# Altium PCB PCB1.PcbDoc (part 2 of 3) (continued)
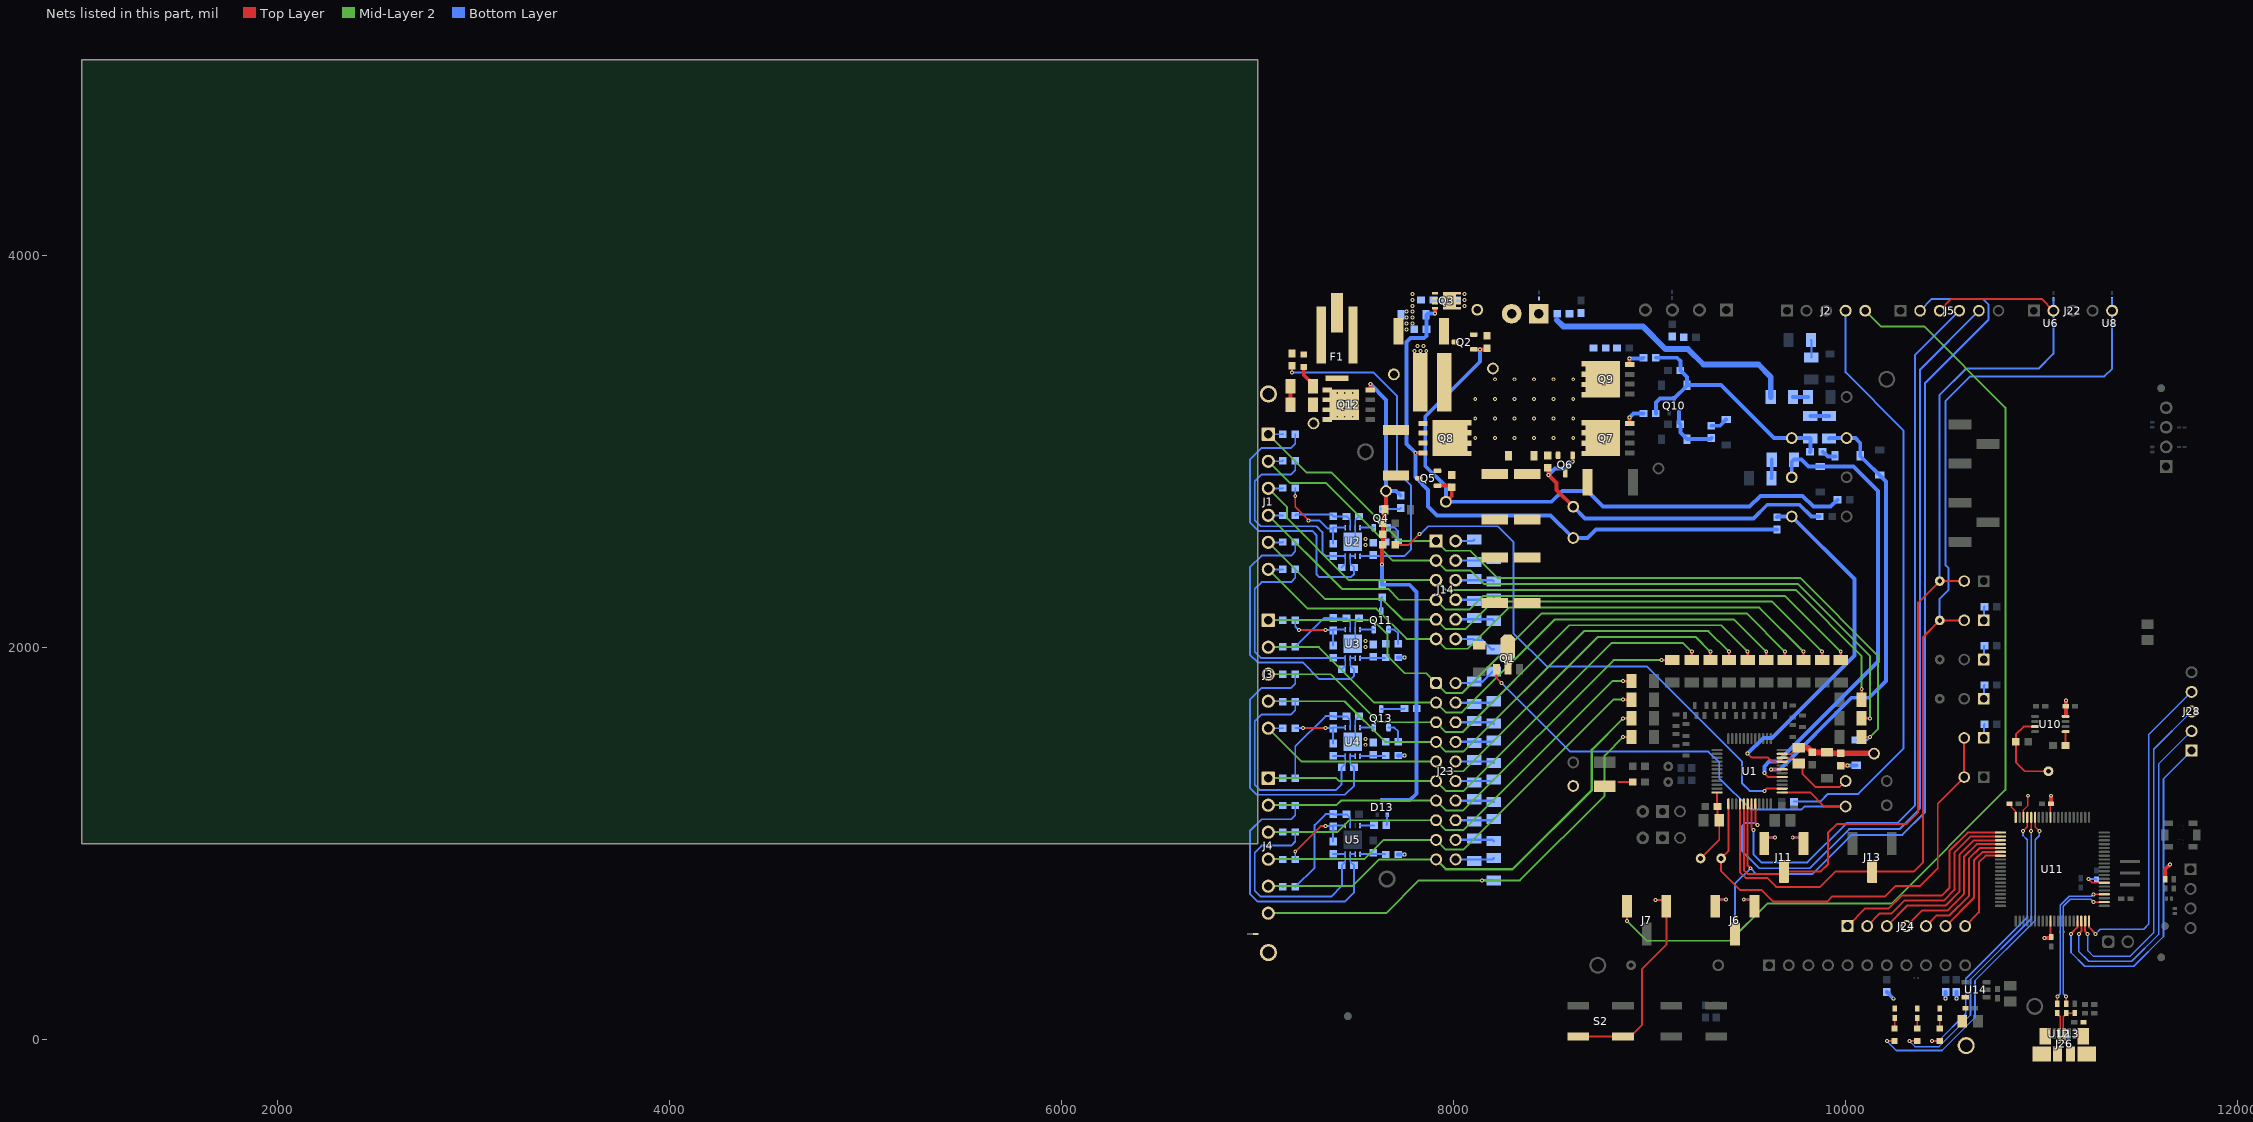
[diagram p4: the nets of this part, all layers, seen from the top]
## Part data (continued)
R55: library part CMP-0025825-4, "RES, 51, 5%, 0.1 W, AEC-Q200 Grade 0, 0603", Manufacturer=Vishay-Dale, Power_W=100mW, Supplier Part Number 1=541-51GCT-ND, TempCo="200 ppm/C", Tolerance_%=5%, Value2=0.1W, Value_Code=51R0, ValueDisplayed=51, AEC Category=Q200, AEC Grade=0, AEC Qualified=Y, ComponentLink1Description="Datasheet link", ComponentLink1URL=http://www.vishay.com/docs/20035/dcrcwe3.pdf, CompType=Resistor, EIA_Code=E24, MountType=SMT, PackageReference=0603, PartNumber=CRCW060351R0JNEA, Res_ohm=51, RoHS=E, SizeArea_mm2=1.28, SizeX_mm=1.6, SizeY_mm=0.8, SizeZ_mm=1, Supplier 1=Digi-Key, Supplier 2=Newark, Supplier 3=Mouser, Supplier Part Number 2=59M6822, Supplier Part Number 3=71-CRCW0603J-51-E3, Technology="Thick Film", Value1=5%, VDC_V=75V
R57: library part CMP-0025701-4, "RES, 10 k, 5%, 0.1 W, AEC-Q200 Grade 0, 0603", Manufacturer=Vishay-Dale, PartNumber=CRCW060310K0JNEA, Power_W=100mW, Supplier Part Number 1=541-10KGCT-ND, TempCo="200 ppm/C", Tolerance_%=5%, Value2=0.1W, Value_Code=10k0, ValueDisplayed=10k, AEC Category=Q200, AEC Grade=0, AEC Qualified=Y, ComponentLink1Description="Datasheet link", ComponentLink1URL=http://www.vishay.com/docs/20035/dcrcwe3.pdf, CompType=Resistor, EIA_Code=E24, LatestRevisionDate=2017-06-13, MountType=SMT, PackageReference=0603, Published=2008-06-26, Publisher="Texas Instruments", Res_ohm=10k, RoHS=E, SizeArea_mm2=1.28, SizeX_mm=1.6, SizeY_mm=0.8, SizeZ_mm=1, Supplier 1=Digi-Key, Supplier 2=Newark, Supplier 3=Mouser, Supplier Part Number 2=52K8066, Supplier Part Number 3=71-CRCW0603J-10K-E3, SymbolVersion=2009-05-29, Technology="Thick Film", U/M=EA, Value1=5%, VDC_V=75V
R59 R82: library part CMP-0025830-4, "RES, 5.1 k, 5%, 0.1 W, AEC-Q200 Grade 0, 0603", Manufacturer=Vishay-Dale, PartNumber=CRCW06035K10JNEA, Power_W=100mW, Supplier Part Number 1=541-5.1KGCT-ND, TempCo="200 ppm/C", Tolerance_%=5%, Value2=0.1W, Value_Code=5k10, ValueDisplayed=5.1k, AEC Category=Q200, AEC Grade=0, AEC Qualified=Y, ComponentLink1Description="Datasheet link", ComponentLink1URL=http://www.vishay.com/docs/20035/dcrcwe3.pdf, CompType=Resistor, EIA_Code=E24, LatestRevisionDate=2017-06-13, MountType=SMT, PackageReference=0603, Published=2008-06-26, Publisher="Texas Instruments", Res_ohm=5.1k, RoHS=E, SizeArea_mm2=1.28, SizeX_mm=1.6, SizeY_mm=0.8, SizeZ_mm=1, Supplier 1=Digi-Key, Supplier 2=Newark, Supplier 3=Farnell, Supplier Part Number 2=89M6773, Supplier Part Number 3=1570751, SymbolVersion=2009-05-29, Technology="Thick Film", U/M=EA, Value1=5%, VDC_V=75V
R60: library part CMP-0025935-5, "RES, 62 k, 5%, 0.1 W, 0603", Manufacturer=Yageo, Power_W=100mW, Supplier Part Number 1=311-62KGRCT-ND, TempCo="100 ppm/C", Tolerance_%=5%, Value2=0.1W, Value_Code=62k0, ValueDisplayed=62k, AEC Category=Q200, AEC Grade=N/A, AEC Qualified=N, ComponentLink1Description="Datasheet link", ComponentLink1URL=http://www.yageo.com/pdf/Pu-RC0603_51_PbFree_L_2.pdf, CompType=Resistor, EIA_Code=E24, MountType=SMT, PackageReference=0603, PartNumber=RC0603JR-0762KL, Res_ohm=62k, RoHS=Y, SizeArea_mm2=1.28, SizeAreaWB_mm2=4.68, SizeX_mm=1.6, SizeY_mm=0.8, SizeZ_mm=1, Supplier 1=Digi-Key, Supplier 2=Mouser, Supplier 3=Farnell, Supplier Part Number 2=603-RC0603JR-0762KL, Supplier Part Number 3=1799444, Technology="Thick Film", Value1=5%, VDC_V=75V
R61 R62 R63: library part CMP-0025830-4, "RES, 5.1 k, 5%, 0.1 W, AEC-Q200 Grade 0, 0603", Manufacturer=Vishay-Dale, Power_W=100mW, Supplier Part Number 1=541-5.1KGCT-ND, TempCo="200 ppm/C", Tolerance_%=5%, Value2=0.1W, Value_Code=5k10, ValueDisplayed=5.1k, AEC Category=Q200, AEC Grade=0, AEC Qualified=Y, ComponentLink1Description="Datasheet link", ComponentLink1URL=http://www.vishay.com/docs/20035/dcrcwe3.pdf, CompType=Resistor, EIA_Code=E24, MountType=SMT, PackageReference=0603, PartNumber=CRCW06035K10JNEA, Res_ohm=5.1k, RoHS=E, SizeArea_mm2=1.28, SizeX_mm=1.6, SizeY_mm=0.8, SizeZ_mm=1, Supplier 1=Digi-Key, Supplier 2=Newark, Supplier 3=Farnell, Supplier Part Number 2=89M6773, Supplier Part Number 3=1570751, Technology="Thick Film", Value1=5%, VDC_V=75V
R64 R68 R70 R71 R73 R74 R76 R77: library part CMP-0018703-3, "RES, 5.1 k, 5%, 0.25 W, AEC-Q200 Grade 0, 1206", Manufacturer=Vishay-Dale, Power_W=250mW, Supplier Part Number 1=541-5.1KECT-ND, TempCo="200 ppm/C", Tolerance_%=5%, Value2=0.25W, Value_Code=5k10, ValueDisplayed=5.1k, AEC Category=Q200, AEC Grade=0, AEC Qualified=Y, ComponentLink1Description="Datasheet link", ComponentLink1URL=http://www.vishay.com/docs/20035/dcrcwe3.pdf, CompType=Resistor, EIA_Code=E24, MountType=SMT, PackageReference=1206, PartNumber=CRCW12065K10JNEA, Res_ohm=5.1k, RoHS=E, SizeArea_mm2=5.12, SizeX_mm=3.2, SizeY_mm=1.6, SizeZ_mm=1.35, Supplier 1=Digi-Key, Supplier 2=Newark, Supplier 3=Mouser, Supplier Part Number 2=59M8589, Supplier Part Number 3=71-CRCW1206J-5.1K-E3, Technology="Thick Film", Value1=5%, VDC_V=200V
R65: library part CMP-0025855-4, "RES, 7.5 k, 5%, 0.1 W, AEC-Q200 Grade 0, 0603", Manufacturer=Vishay-Dale, Power_W=100mW, Supplier Part Number 1=541-7.5KGCT-ND, TempCo="200 ppm/C", Tolerance_%=5%, Value2=0.1W, Value_Code=7k50, ValueDisplayed=7.5k, AEC Category=Q200, AEC Grade=0, AEC Qualified=Y, ComponentLink1Description="Datasheet link", ComponentLink1URL=http://www.vishay.com/docs/20035/dcrcwe3.pdf, CompType=Resistor, EIA_Code=E24, MountType=SMT, PackageReference=0603, PartNumber=CRCW06037K50JNEA, Res_ohm=7.5k, RoHS=E, SizeArea_mm2=1.28, SizeX_mm=1.6, SizeY_mm=0.8, SizeZ_mm=1, Supplier 1=Digi-Key, Supplier 2=Newark, Supplier 3=Mouser, Supplier Part Number 2=59M6832, Supplier Part Number 3=71-CRCW0603J-7.5K-E3, Technology="Thick Film", Value1=5%, VDC_V=75V
R66: library part CMP-0025753-4, "RES, 20 k, 5%, 0.1 W, AEC-Q200 Grade 0, 0603", Manufacturer=Vishay-Dale, PartNumber=CRCW060320K0JNEA, Power_W=100mW, Supplier Part Number 1=541-20KGCT-ND, TempCo="200 ppm/C", Tolerance_%=5%, Value2=0.1W, Value_Code=20k0, ValueDisplayed=20k, AEC Category=Q200, AEC Grade=0, AEC Qualified=Y, ComponentLink1Description="Datasheet link", ComponentLink1URL=http://www.vishay.com/docs/20035/dcrcwe3.pdf, CompType=Resistor, EIA_Code=E24, LatestRevisionDate=2017-06-13, MountType=SMT, PackageReference=0603, Published=2008-06-26, Publisher="Texas Instruments", Res_ohm=20k, RoHS=E, SizeArea_mm2=1.28, SizeX_mm=1.6, SizeY_mm=0.8, SizeZ_mm=1, Supplier 1=Digi-Key, Supplier 2=Newark, Supplier 3=Mouser, Supplier Part Number 2=59M6783, Supplier Part Number 3=71-CRCW0603J-20K-E3, SymbolVersion=2009-05-29, Technology="Thick Film", U/M=EA, Value1=5%, VDC_V=75V
R80: library part CMP-0025766-4, "RES, 27 k, 5%, 0.1 W, AEC-Q200 Grade 0, 0603", Manufacturer=Vishay-Dale, Power_W=100mW, Supplier Part Number 1=541-27KGCT-ND, TempCo="200 ppm/C", Tolerance_%=5%, Value2=0.1W, Value_Code=27k0, ValueDisplayed=27k, AEC Category=Q200, AEC Grade=0, AEC Qualified=Y, ComponentLink1Description="Datasheet link", ComponentLink1URL=http://www.vishay.com/docs/20035/dcrcwe3.pdf, CompType=Resistor, EIA_Code=E24, MountType=SMT, PackageReference=0603, PartNumber=CRCW060327K0JNEA, Res_ohm=27k, RoHS=E, SizeArea_mm2=1.28, SizeX_mm=1.6, SizeY_mm=0.8, SizeZ_mm=1, Supplier 1=Digi-Key, Supplier 2=Newark, Supplier 3=Mouser, Supplier Part Number 2=59M6792, Supplier Part Number 3=71-CRCW0603J-27K-E3, Technology="Thick Film", Value1=5%, VDC_V=75V
R87 R88 R90 R93 R95 R96 R98 R100 R101 R102 R103 R104 R105 R106 R107 R108: library part CMP-0016776-3, "RES, 200, 1%, 0.25 W, AEC-Q200 Grade 0, 1206", Manufacturer=Vishay-Dale, Power_W=250mW, Supplier Part Number 1=541-200FCT-ND, TempCo="100 ppm/C", Tolerance_%=1%, Value2=0.25W, Value_Code=200R, ValueDisplayed=200, AEC Category=Q200, AEC Grade=0, AEC Qualified=Y, ComponentLink1Description="Datasheet link", ComponentLink1URL=http://www.vishay.com/docs/20035/dcrcwe3.pdf, CompType=Resistor, EIA_Code=E96, MountType=SMT, PackageReference=1206, PartNumber=CRCW1206200RFKEA, Res_ohm=200, RoHS=E, SizeArea_mm2=5.12, SizeX_mm=3.2, SizeY_mm=1.6, SizeZ_mm=1.35, Supplier 1=Digi-Key, Supplier 2=Newark, Supplier 3=Mouser, Supplier Part Number 2=53K2137, Supplier Part Number 3=71-CRCW1206-200-E3, Technology="Thick Film", Value1=1%, VDC_V=200V
R114 R115: library part CMP-0026908-3, "RES, 33, 5%, 0.063 W, AEC-Q200 Grade 0, 0402", Manufacturer=Vishay-Dale, PartNumber=CRCW040233R0JNED, Power_W=63mW, Supplier Part Number 1=541-33JCT-ND, TempCo="200 ppm/C", Tolerance_%=5%, Value2=0.063W, Value_Code=33R0, ValueDisplayed=33, AEC Category=Q200, AEC Grade=0, AEC Qualified=Y, ComponentLink1Description="Datasheet link", ComponentLink1URL=http://www.vishay.com/docs/20035/dcrcwe3.pdf, CompType=Resistor, EIA_Code=E24, LatestRevisionDate=2017-06-12, MountType=SMT, PackageReference=0402, Published=2008-06-26, Publisher="Texas Instruments", Res_ohm=33, RoHS=E, SizeArea_mm2=0.5, SizeX_mm=1, SizeY_mm=0.5, SizeZ_mm=0.6, Supplier 1=Digi-Key, Supplier 2=Newark, Supplier 3=Mouser, Supplier Part Number 2=72M6782, Supplier Part Number 3=71-CRCW0402J-33-E3, SymbolVersion=2009-05-29, Technology="Thick Film", U/M=EA, Value1=5%, VDC_V=50V
R116: library part CMP-0026889-5, "RES, 2.0 k, 5%, 0.063 W, AEC-Q200 Grade 0, 0402", Manufacturer=Vishay-Dale, PartNumber=CRCW04022K00JNED, Power_W=63mW, Supplier Part Number 1=541-2.0KJCT-ND, TempCo="200 ppm/C", Tolerance_%=5%, Value2=0.063W, Value_Code=2k00, ValueDisplayed=2.0k, AEC Category=Q200, AEC Grade=0, AEC Qualified=Y, ComponentLink1Description="Datasheet link", ComponentLink1URL=http://www.vishay.com/docs/20035/dcrcwe3.pdf, CompType=Resistor, EIA_Code=E24, LatestRevisionDate=2017-06-12, MountType=SMT, PackageReference=0402, Published=2008-06-26, Publisher="Texas Instruments", Res_ohm=2k, RoHS=E, SizeArea_mm2=0.5, SizeX_mm=1, SizeY_mm=0.5, SizeZ_mm=0.6, Supplier 1=Digi-Key, Supplier 2=Newark, Supplier 3=Mouser, Supplier Part Number 2=59M6709, Supplier Part Number 3=71-CRCW0402J-2K-E3, SymbolVersion=2009-05-29, Technology="Thick Film", U/M=EA, Value1=5%, VDC_V=50V
R117 R123: library part CMP-0026825-5, "RES, 10 k, 5%, 0.063 W, AEC-Q200 Grade 0, 0402", Manufacturer=Vishay-Dale, PartNumber=CRCW040210K0JNED, Power_W=63mW, Supplier Part Number 1=541-10KJCT-ND, TempCo="200 ppm/C", Tolerance_%=5%, Value2=0.063W, Value_Code=10k0, ValueDisplayed=10k, AEC Category=Q200, AEC Grade=0, AEC Qualified=Y, ComponentLink1Description="Datasheet link", ComponentLink1URL=http://www.vishay.com/docs/20035/dcrcwe3.pdf, CompType=Resistor, EIA_Code=E24, LatestRevisionDate=2017-06-12, MountType=SMT, PackageReference=0402, Published=2008-06-26, Publisher="Texas Instruments", Res_ohm=10k, RoHS=E, SizeArea_mm2=0.5, SizeX_mm=1, SizeY_mm=0.5, SizeZ_mm=0.6, Supplier 1=Digi-Key, Supplier 2=Newark, Supplier 3=Mouser, Supplier Part Number 2=59M6696, Supplier Part Number 3=71-CRCW0402J-10K-E3, SymbolVersion=2009-05-29, Technology="Thick Film", U/M=EA, Value1=5%, VDC_V=50V
R118 R119: library part CMP-0026859-2, "RES, 1.0 M, 5%, 0.063 W, AEC-Q200 Grade 0, 0402", Manufacturer=Vishay-Dale, PartNumber=CRCW04021M00JNED, Power_W=63mW, Supplier Part Number 1=541-1.0MJCT-ND, TempCo="200 ppm/C", Tolerance_%=5%, Value2=0.063W, Value_Code=1M00, ValueDisplayed=1.0M, AEC Category=Q200, AEC Grade=0, AEC Qualified=Y, ComponentLink1Description="Datasheet link", ComponentLink1URL=http://www.vishay.com/docs/20035/dcrcwe3.pdf, CompType=Resistor, EIA_Code=E24, LatestRevisionDate=2017-06-12, MountType=SMT, PackageReference=0402, Published=2008-06-26, Publisher="Texas Instruments", Res_ohm=1M, RoHS=E, SizeArea_mm2=0.5, SizeX_mm=1, SizeY_mm=0.5, SizeZ_mm=0.6, Supplier 1=Digi-Key, Supplier 2=Newark, Supplier 3=Mouser, Supplier Part Number 2=59M6694, Supplier Part Number 3=71-CRCW0402J-1M-E3, SymbolVersion=2009-05-29, Technology="Thick Film", U/M=EA, Value1=5%, VDC_V=50V
R120 R121 R122: library part CMP-0026694-1, "RES, 330, 1%, 0.1 W, AEC-Q200 Grade 0, 0402", Manufacturer=Panasonic, PartNumber=ERJ-2RKF3300X, Power_W=100mW, Supplier Part Number 1=P330LCT-ND, TempCo="100 ppm/C", Tolerance_%=1%, Value2=0.1W, Value_Code=330R, ValueDisplayed=330, AEC Category=Q200, AEC Grade=0, AEC Qualified=Y, ComponentLink1Description="Datasheet link", ComponentLink1URL=http://industrial.panasonic.com/lecs/www-data/pdf/AOA0000/AOA0000CE2.pdf, CompType=Resistor, Green_EU RoHS="Passed with Exemption", Green_EU RoHS-2=Incomplete, Green_Lifecycle=Active, Green_REACh=Passed, LatestRevisionDate=2017-03-09, MountType=SMT, PackageReference=0402, Published=2008-06-26, Publisher="Texas Instruments", Res_ohm=330, RoHS=Y, SizeArea_mm2=0.5, SizeX_mm=1, SizeY_mm=0.5, SizeZ_mm=0.6, Supplier 1=Digi-Key, Supplier 2=Newark, Supplier 3=Farnell, Supplier Part Number 2=64R5277, Supplier Part Number 3=2397127, SymbolVersion=2009-05-29, Technology="Thick Film", U/M=EA, Value1=1%, VDC_V=50V
RT1 RT2: library part CMP-0002341-2, "Thermistor NTC, 10.0k ohm, 1%, Disc, 5x8.4 mm", Manufacturer="SEMITEC Corporation", PartNumber=103AT-2, Power_W=10mW, Supplier Part Number 1=954-103AT-2, Tolerance_%=1%, ComponentLink1Description="Datasheet link", ComponentLink1URL=http://www.semitec.co.jp/english2/products/pdf/AT_Thermistor.pdf, CompType=ThermistorNTC, LatestRevisionDate=09/03/2017, MountType=TH, PackageReference="Disc, 5x8.4 mm", Published=22/09/2009, Publisher="Texas Instruments", RoHS=Y, Series=AT, Supplier 1=Mouser, SymbolVersion=2008-11-25, TaMax_C=110°C, TaMin_C=-50°C, U/M=EA
S1 S2: library part CMP-0002132-2, "Switch, Tactile, SPST-NO, SMT", CurrentRating_mA=50A, Manufacturer="C&K Components", PartNumber=KST221JLFS, Supplier Part Number 1=401-1848-1-ND, Circuit=SPST-NO, ComponentLink1Description="Datasheet URL", ComponentLink1URL=http://www.ck-components.com/index.php?module=media&action=Display&cmpref=14404&lang=en&width=&height=&format=&alt=, CompType=Switch, Green_EU RoHS=Passed, Green_EU RoHS-2=Passed, Green_Lifecycle=Active, Green_REACh=Passed, LatestRevisionDate=2017-03-09, MountType=SMT, Orientation="Top Actuated", PackageReference="Switch, 6.2X5X6.2 mm", PositionCount=1, Publisher="Texas Instruments", RoHS=Y, Supplier 1=Digi-Key, Supplier 2=Mouser, Supplier Part Number 2=611-KST221JLFS, SwitchFunction=Off-Mom, SymbolCreator=a0799628, SymbolVersion=2013-06-10, VDC_V=32V
S3: library part CMP-0002246-2, "Switch, SPST-NO,  Off-Mom, 0.05A, 12VDC, SMD", CurrentRating_mA=50A, Manufacturer="C&K Components", Supplier Part Number 1=CKN10505CT-ND, Circuit=SPST-NO, ComponentLink1Description="Datasheet Link", ComponentLink1URL=http://www.ck-components.com/80184/pts820_4mar13.pdf/, CompType=Switch, LatestRevisionDate=2017-03-09, MountType=SMT, Orientation="Top Actuated", PackageReference=3.9x2.9mm, PartNumber="PTS820 J20M SMTR LFS", PositionCount=1, Publisher="Texas Instruments", RoHS=Y, Supplier 1=Digi-Key, Supplier 2=Mouser, Supplier Part Number 2=611-PTS820J20MSMTR, SwitchFunction=Off-Mom, VDC_V=12V
SH-J1 SH-J2 SH-J3 SH-J4 SH-J5 SH-J6 SH-J7 SH-J8 SH-J9 SH-J10 SH-J11 SH-J12 SH-J13 SH-J14 SH-J15 SH-J16 SH-J17 SH-J18 SH-J19 SH-J20 SH-J21: library part CMP-0003623-3, "Shunt, 100mil, Gold plated, Black", Alternate Manufacturer=3M, Alternate PartNumber=969102-0000-DA, Manufacturer=Samtec, Supplier Part Number 1=SAM8858-ND, ClassName=Shunt, ComponentLink1Description="Datasheet Link", ComponentLink1URL=http://www.samtec.com/ftppub/pdf/SNT.PDF, CompType=Shunt, MountType=N/A, PackageReference=Shunt, PartNumber=SNT-100-BK-G, RoHS=Y, Supplier 1=Digi-Key
TP1: library part CMP-0055147-1, "Test Point, Multipurpose, Red, TH", Color=Red, Manufacturer=Keystone, PartNumber=5010, Supplier Part Number 1=36-5010-ND, CNHeader=FALSE, ComponentLink1Description="Datasheet URL", ComponentLink1URL=http://www.keyelco.com/userAssets/file/M60-2p60.pdf, CompType="Test Point", ContactFinish=Silver, CT=TRUE, Green_EU RoHS=Passed, Green_EU RoHS-2=Incomplete, Green_Lifecycle=Active, Green_REACh=Passed, LatestRevisionDate=26/05/2017, MountType=TH, PackageReference="Red Multipurpose Testpoint", Publisher="Texas Instruments", RoHS=Y, Supplier 1=Digi-Key, Supplier 2=Mouser, Supplier Part Number 2=534-5010
TP2 TP3 TP4 TP5 TP6 TP7 TP8 TP10 TP11 TP12 TP13 TP18 TP19 TP20 TP21 TP22 TP23 TP24 TP25 TP26 TP27 TP28 TP29 TP30 TP31 TP32 TP33 TP34 TP35 TP36 TP37 TP38 TP39 TP40 TP41 TP42: library part CMP-0078143-2, "TEST POINT.  No entry in BOM.", Manufacturer=N/A, CompType=Testpoint, PackageReference=N/A, PartNumber=N/A
TP9: library part CMP-0055148-1, "Test Point, Multipurpose, Black, TH", Color=Black, Manufacturer=Keystone, PartNumber=5011, Supplier Part Number 1=36-5011-ND, CNHeader=FALSE, ComponentLink1Description="Datasheet URL", ComponentLink1URL=http://www.keyelco.com/userAssets/file/M60-2p60.pdf, CompType="Test Point", ContactFinish=Silver, CT=TRUE, Green_EU RoHS=Passed, Green_EU RoHS-2=Incomplete, Green_Lifecycle=Active, Green_REACh=Passed, LatestRevisionDate=26/05/2017, MountType=TH, PackageReference="Black Multipurpose Testpoint", Publisher="Texas Instruments", RoHS=Y, Supplier 1=Digi-Key, Supplier 2=Mouser, Supplier Part Number 2=534-5011
TP14 TP15 TP16 TP17: library part CMP-0055143-1, "Test Point, Compact, Black, TH", Color=Black, Manufacturer=Keystone, Supplier Part Number 1=36-5006-ND, CNHeader=FALSE, ComponentLink1Description="Datasheet URL", ComponentLink1URL=http://www.keyelco.com/userAssets/file/M60-2p60.pdf, CompType="Test Point", ContactFinish=Silver, CT=TRUE, Green_EU RoHS=Passed, Green_EU RoHS-2=Incomplete, Green_Lifecycle=Active, Green_REACh=Passed, LatestRevisionDate=26/05/2017, MountType=TH, PackageReference="Black Compact Testpoint", PartNumber=5006, Publisher="Texas Instruments", RoHS=Y, Supplier 1=Digi-Key, Supplier 2=Mouser, Supplier Part Number 2=534-5006, SymbolVersion=2008-04-04
TP43 TP44: library part CMP-0055142-1, "Test Point, Compact, Red, TH", Color=Red, Manufacturer=Keystone, Supplier Part Number 1=36-5005-ND, CNHeader=FALSE, ComponentLink1Description="Datasheet URL", ComponentLink1URL=http://www.keyelco.com/userAssets/file/M60-2p60.pdf, CompType="Test Point", ContactFinish=Silver, CT=TRUE, Green_EU RoHS=Passed, Green_EU RoHS-2=Passed, Green_Lifecycle=Active, Green_REACh=Passed, LatestRevisionDate=26/05/2017, MountType=TH, PackageReference="Red Compact Testpoint", PartNumber=5005, Publisher="Texas Instruments", RoHS=Y, Supplier 1=Digi-Key, Supplier 2=Mouser, Supplier Part Number 2=534-5005, SymbolVersion=2008-04-04, U/M=EA
TP45: library part CMP-0003825-1, "1mm Test Point, SMT", Manufacturer=Any, PartNumber=TP_SM_1MM, ComponentLink1Description="Datasheet Link", ComponentLink1URL=https://sps06.itg.ti.com/sites/KMS/crossdivteams/altium/docs/ComponentDatasheets/PROBE_TEST_POINT.png, CompType="Test Point", Key=TP_SM_1MM, LatestRevisionDate=2017-03-09, MountType=SMT, PackageReference="1mm Test Point, SMT", Publisher="Texas Instruments", SymbolVersion=2010-10-20
U1: library part CMP-0084229-1, "Multicell Battery Monitor and Protection Family, PFB0048A (TQFP-48)", Alternate Manufacturer="Texas Instruments", Alternate PartNumber=bq76952PFBR, AEC Category=Q200, AEC Qualified=N, ComponentLink1Description="Datasheet Link", ComponentLink1URL=http://www.ti.com/lit/ds/symlink/bq76952.pdf, ComponentLink2Description="Product Folder", ComponentLink2URL=http://www.ti.com/product/bq76952, ComponentLink3Description="Online Datasheet", ComponentLink3URL=http://www.ti.com/product/bq76952/datasheet, CompType=IC, Manufacturer="Texas Instruments", MountType=SMT, PackageDescription=TQFP-48, PackageReference=PFB0048A, PartNumber=bq76952PFBT, SizeArea_mm2=81, SizeAreaWB_mm2=121, SizeX_mm=9, SizeY_mm=9, SizeZ_mm=1.2
U2 U3 U4 U5: library part CMP-0078902-2, "Family 2-5S Overvoltage Protector with Internal Delay Timer, DPJ0008A (WSON-8)", Alternate Manufacturer="Texas Instruments", Alternate PartNumber=BQ771807DPJT, AEC Category=Q200, AEC Qualified=N, ComponentLink1Description="Datasheet Link", ComponentLink1URL=http://www.ti.com/lit/ds/symlink/bq7718.pdf, ComponentLink2Description="Product Folder", ComponentLink2URL=http://www.ti.com/product/bq7718, CompType=IC, Manufacturer="Texas Instruments", MountType=SMT, PackageDescription=WSON-8, PackageReference=DPJ0008A, PartNumber=BQ771807DPJR, RoHS=Y, SizeArea_mm2=12, SizeAreaWB_mm2=20, SizeX_mm=4, SizeY_mm=3, SizeZ_mm=0.8
U6 U7 U8 U9: library part CMP-0043093-3, "Single-Channel ESD in 0402 Package With 10pF Capacitance and 6V Breakdown, DPY0002A (X1SON-2)", Alternate Manufacturer="Texas Instruments", Alternate PartNumber=TPD1E10B06DPYT, Breakdown Voltage(Min)(V)=6, IO Capacitance(Typ)(pF)=10, Operating Temperature Range="-40 to 125 C", Rating=Catalog, AEC Category=Q200, AEC Qualified=N, ComponentLink1Description="Datasheet Link", ComponentLink1URL=http://www.ti.com/lit/ds/symlink/tpd1e10b06.pdf, ComponentLink2Description="Product Folder", ComponentLink2URL=http://www.ti.com/product/tpd1e10b06, ComponentLink3Description="Online Datasheet", ComponentLink3URL=http://www.ti.com/product/tpd1e10b06/datasheet, CompType=IC, Eco-Plan=TBD, Green_EU RoHS=Passed, Green_EU RoHS-2=Passed, Green_Lifecycle=Active, Green_REACh=Passed, IEC 61000-4-2 Air-Gap(+/- kV)=30, IEC 61000-4-2 Contact(+/- kV)=30, IO Leakage Current(nA)=10, Manufacturer="Texas Instruments", MountType=SMT, PackageDescription=X1SON-2, PackageReference=DPY0002A, PartNumber=TPD1E10B06DPYR, RoHS=Y, SizeArea_mm2=0.6, SizeAreaWB_mm2=3.2, SizeX_mm=1.0, SizeY_mm=0.6, SizeZ_mm=0.45
U10: library part CMP-0051048-2, "Dual-Bit Dual Supply Transceiver with Configurable Voltage Translation and 3-State Outputs, DCT0008A, LARGE T&R", F @ Nom Voltage(Max)(Mhz)=150, Generic Part Number=SN74LVC2T45, ICC @ Nom Voltage(Max)(mA)=0.004, Manufacturer="Texas Instruments", Operating Temperature Range(C)="-40 to 85", Rating=Military, tpd @ Nom Voltage(Max)(ns)=17.7,10.3,8.3,7.2, Voltage(Nom)(V)=1.8,2.5,3.3,5, 3-State Output=Yes, AEC Category=Q200, AEC Qualified=N, Bits(#)=2, ComponentLink1Description="Datasheet Link", ComponentLink1URL=http://www.ti.com/lit/ds/symlink/sn74lvc2t45.pdf, ComponentLink2Description="Product Folder", ComponentLink2URL=http://www.ti.com/product/sn74lvc2t45, CompType=IC, DatasheetVersion=SCES516J, Input Type=CMOS/TTL, Logic=True, MountType=SMT, Output Drive (IOL/IOH)(Max)(mA)=32/-32, Output Type=CMOS, PackageDescription=SSOP-8, PackageReference=DCT0008A, PartNumber=SN74LVC2T45DCTR, RoHS=Y, Schmitt Trigger=No, SizeArea_mm2=11.2, SizeAreaWB_mm2=19, SizeX_mm=4, SizeY_mm=2.8, SizeZ_mm=1.3, Sub-Family="Dual Supply Translator", Technology Family=LVC, VCC(Max)(V)=5.5, VCC(Min)(V)=1.65
U11: "25 MHz Mixed Signal Microcontroller with 128 KB Flash, 8192 B SRAM and 63 GPIOs, -40 to 85 degC, 80-pin QFP (PN), Green (RoHS & no Sb/Br)", Frequency(MHz)=25, Manufacturer="Texas Instruments", PartNumber=MSP430F5529IPN, Temp Sensor=Yes, ADC="12-bit SAR", ADC Channels=16, Brown Out Reset=Yes, Code_JEDEC=MS-018, Comparators=Yes, ComponentLink1Description="Manufacturer URL", ComponentLink1URL=http://www.ti.com/, ComponentLink2Description=Datasheet, ComponentLink2URL=http://www.ti.com/general/docs/lit/getliterature.tsp?genericPartNumber=MSP430F5529&fileType=pdf, ComponentLink3Description="Package Specification", ComponentLink3URL=http://www.ti.com/lit/ml/mtqf010a/mtqf010a.pdf, DatasheetVersion=SLAS590I, DMA=3, Eco-Plan="Green (RoHS & no Sb/Br)", Flash(KB)=128, GPIO=63, Mounting Technology="Surface Mount", Multiplier=32x32, PackageDescription="80-Pin Plastic Quad Flat Pack, Body 12 x 12 mm, Pitch 0.5 mm", PackageReference=PN0080A, Real-Time Clock=Yes, SRAM(B)=8192, SubFamily="5 Series", SVS=Yes, Timers - 16-bit=4, USB=1, USCI_A (UART/LIN/IrDA/SPI)=2, USCI_B (I2C & SPI)=2, Watchdog=Yes
U12 U13 U15 U16: library part CMP-0043094-3, "Single-Channel ESD in 0402 Package With 10pF Capacitance and 6V Breakdown, DPY0002A (X1SON-2)", Alternate Manufacturer="Texas Instruments", Alternate PartNumber=TPD1E10B06DPYR, Breakdown Voltage(Min)(V)=6, IO Capacitance(Typ)(pF)=10, Operating Temperature Range="-40 to 125 C", Rating=Catalog, AEC Category=Q200, AEC Qualified=N, ComponentLink1Description="Datasheet Link", ComponentLink1URL=http://www.ti.com/lit/ds/symlink/tpd1e10b06.pdf, ComponentLink2Description="Product Folder", ComponentLink2URL=http://www.ti.com/product/tpd1e10b06, ComponentLink3Description="Online Datasheet", ComponentLink3URL=http://www.ti.com/product/tpd1e10b06/datasheet, CompType=IC, Eco-Plan=TBD, IEC 61000-4-2 Air-Gap(+/- kV)=30, IEC 61000-4-2 Contact(+/- kV)=30, IO Leakage Current(nA)=10, Manufacturer="Texas Instruments", MountType=SMT, PackageDescription=X1SON-2, PackageReference=DPY0002A, PartNumber=TPD1E10B06DPYT, RoHS=Y, SizeArea_mm2=0.6, SizeAreaWB_mm2=3.2, SizeX_mm=1.0, SizeY_mm=0.6, SizeZ_mm=0.45
U14: "Single Output LDO, 150 mA, Fixed 3.3 V Output, 2.7 to 10 V Input, with Low IQ, 5-pin SOT-23 (DBV), -40 to 125 degC, Green (RoHS & no Sb/Br)", Manufacturer="Texas Instruments", PartNumber=TPS76333DBVR, Accuracy(%)=3, Code_JEDEC=MO-178, ComponentLink1Description="Manufacturer URL", ComponentLink1URL=http://www.ti.com/, ComponentLink2Description=Datasheet, ComponentLink2URL=http://www.ti.com/general/docs/lit/getliterature.tsp?genericPartNumber=TPS76333&fileType=pdf, ComponentLink3Description="Package Specification", ComponentLink3URL=http://www.ti.com/litv/pdf/mpds018i, DatasheetVersion=SLVS181H, Eco-Plan="Green (RoHS & no Sb/Br)", Fixed Output Options(V)=3.3, Iout(Max)(A)=0.15, Iq(Typ)(mA)=0.08, Mounting Technology="Surface Mount", PackageDescription="5-Pin Plastic Small Outline, Body 1.60 Ãƒâ€” 2.90 mm, Pitch 0.95 mm", PackageReference=DBV0005A, PackageVersion=4073253-4/K, SubFamily="Single Channel LDO", Vdo(Typ)(mV)=300, Vin(Max)(V)=10, Vin(Min)(V)=2.7, Vout Adj(Max)(V)=3.3, Vout Adj(Min)(V)=3.3
Y1: library part CMP-0084387-1, "Resonator, 4 MHz, 39 pF, AEC-Q200 Grade 1, SMD", Frequency_Fixed=4MHz, Load Capacitance="39 pF", Manufacturer=MuRata, AEC Category=Q200, AEC Grade=1, AEC Qualified=Y, ComponentLink1Description="Datasheet Link", ComponentLink1URL=https://www.murata.com/~/media/webrenewal/support/library/catalog/products/timingdevice/ceralock/p16e.ashx, CompType=Resonator, MountType=SMT, PackageReference="4.5x1.2x2 mm", PartNumber=CSTCR4M00G55B-R0, RoHS=Y, SizeArea_mm2=9, SizeAreaWB_mm2=16.5, SizeX_mm=4.5, SizeY_mm=2, SizeZ_mm=1.2, TaMax_C=125°C, TaMin_C=-40°C
ZZ3: library part CMP-0077238-1, ClassName=AssemblyNote, CompType=AssemblyNote, Key=AssemblyNote, LatestRevisionDate=2017-08-10, Publisher="Texas Instruments"

## Via types
v1: diameter 20, hole 10, Top Layer to Bottom Layer, tented both sides, 298 vias
v2: diameter 19.68, hole 7.87, Top Layer to Bottom Layer, tented both sides, 32 vias

## Nets (pads, with @x,y where several pads share a name; then routed paths per layer and width w, separated by ;. In a path a pad name is that pad's centre, name@x,y a point inside that pad or via, vN(x,y) a via of type N, cw(c..) or ccw(c..) an arc to the next point about the centre after c; other vN are vias at no path point)
1P: J4.5 J23.19 R23.1 R86.1 | length 2446.3
  Top Layer w12: v1(8865,1640) R23.1@8907.91,1640
  Mid-Layer 2 w10: J4.5@7053.94,783.31 7483.31,783.31 7620,920 J23.19@7910,920
  Mid-Layer 2 w12: J23.19@7910,920 7960,870 8300,870 8705,1275 8705,1480 v1(8865,1640)
  Bottom Layer w10: J4.5@7053.94,783.31 7125.2,783.31 R86.1@7128.5,780
2P: J4.4 J23.17 R22.1 R85.1 | length 2307.5
  Top Layer w12: v1(8865,1735) R22.1@8907.91,1735
  Mid-Layer 2 w10: J4.4@7053.94,921.1 7544.8,921.1 7643.7,1020 J23.17@7910,1020 7960,970 8050,970 8815,1735 v1(8865,1735)
  Bottom Layer w10: J4.4@7053.94,921.1 7127.4,921.1 R85.1@7128.5,920
3.3V: C59.2 C64.1 C65.1 C68.1 C69.1 R109.1 R110.1 R111.1 R120.2 R121.2 R122.2 R123.2 TP44.1 U10.8 U11.11 U11.18 U11.50 U14.5 | length 630.6
  Top Layer w8: U11.18@10907.36,1134.76 10907.36,1172.36 10930,1195 v1(10930,1245) ; U11.11@11045.16,1134.76 11045.16,1201.54 C69.1@11048.62,1205
  Top Layer w10: U11.50@11045.16,605.24 11045.16,528.46 C68.1@11050,523.62
  Top Layer w20: v1(11015,520) 11046.38,520 C68.1@11050,523.62 ; C69.1@11048.62,1205 v1(11048.62,1245) ; U10.8@11123.38,1653 C59.2@11123.38,1701 v1(11123.38,1730) ; R123.2@11630,818.62 11630,870 v1(11655,895)
  Bottom Layer w20: R111.1@10210,243.5 v1(10244.25,209.25) ; v1(10510,210) R110.1@10510,243.5 ; v1(10565,210) R109.1@10565,243.5
3P: J4.3 J23.15 R21.1 R84.1 | length 2289.8
  Top Layer w12: v1(8865,1830) R21.1@8907.91,1830
  Mid-Layer 2 w10: J4.3@7053.94,1058.9 7406.06,1058.9 7467.17,1120 J23.15@7910,1120 7960,1070 8050,1070 8810,1830 v1(8865,1830)
  Bottom Layer w10: J4.3@7053.94,1058.9 7127.4,1058.9 R84.1@7128.5,1060
4P: C49.1 C52.1 J4.2 J23.13 R19.1 R79.1 R81.1 R83.1 U4.7 U4.9 | length 2661
  Top Layer w12: v1(9060,1937.09) R19.1@9115,1937.09
  Mid-Layer 2 w10: J4.2@7053.94,1196.69 7401.69,1196.69 7425,1220 J23.13@7910,1220 7960,1170 8048.74,1170 8815.83,1937.09 v1(9060,1937.09)
  Bottom Layer w10: J4.2@7053.94,1196.69 7126.81,1196.69 R83.1@7128.5,1195 ; U4.9@7485,1520 7497.8,1532.8 U4.7@7497.8,1592.83 7497.8,1631.3 C52.1@7516.5,1650
  Bottom Layer w20: R81.1@7716.5,945 v1(7750,945)
  other v1: 7550,1505 7550,1535
5P: J4.1 J23.11 R18.1 R78.1 | length 2636.8
  Top Layer w12: R18.1@9215,1937.09 v1(9215,1980)
  Mid-Layer 2 w10: J4.1@7053.94,1334.49 7400.51,1334.49 7415,1320 J23.11@7910,1320 7960,1270 8051.26,1270 8806.26,2025 9170,2025 v1(9215,1980)
  Bottom Layer w10: J4.1@7053.94,1334.49 7127.99,1334.49 R78.1@7128.5,1335
6P: J3.5 J23.9 R17.1 R75.1 | length 2779.5
  Top Layer w12: R17.1@9310,1937.09 v1(9310,1980)
  Mid-Layer 2 w10: J3.5@7053.94,1589.41 7223.35,1420 J23.9@7910,1420 7960,1370 8050,1370 8735,2055 9235,2055 v1(9310,1980)
  Bottom Layer w10: J3.5@7053.94,1589.41 7127.91,1589.41 R75.1@7128.5,1590
7P: J3.4 J23.7 R16.1 R72.1 | length 2874.2
  Top Layer w12: R16.1@9405,1937.09 v1(9405,1980)
  Mid-Layer 2 w10: J3.4@7053.94,1727.2 7442.8,1727.2 7650,1520 J23.7@7910,1520 7960,1470 8050,1470 8665,2085 9300,2085 v1(9405,1980)
  Bottom Layer w10: J3.4@7053.94,1727.2 7126.3,1727.2 R72.1@7128.5,1725
8P: C41.1 C46.1 J3.3 J23.5 R14.1 R58.1 R67.1 R69.1 U3.7 U3.9 | length 3144
  Top Layer w12: R14.1@9500,1937.09 v1(9500,1980)
  Mid-Layer 2 w10: J3.3@7053.94,1865 7373.5,1865 7618.5,1620 J23.5@7910,1620 7960,1570 8045,1570 8590,2115 9365,2115 v1(9500,1980)
  Bottom Layer w10: J3.3@7053.94,1865 R69.1@7128.5,1865 ; U3.9@7485,2020 7497.8,2032.8 U3.7@7497.8,2092.83 7497.8,2131.3 C46.1@7516.5,2150
  Bottom Layer w20: R67.1@7716.5,1450 v1(7750,1450)
  other v1: 7550,2005 7550,2035
9P: J3.2 J23.3 R13.1 R54.1 | length 3062.4
  Top Layer w12: R13.1@9595,1937.09 v1(9595,1980)
  Mid-Layer 2 w10: J3.2@7053.94,2002.8 7312.2,2002.8 7595,1720 J23.3@7910,1720 7960,1670 8041.93,1670 8516.93,2145 9430,2145 v1(9595,1980)
  Bottom Layer w10: J3.2@7053.94,2002.8 7126.3,2002.8 R54.1@7128.5,2005
10P: J3.1 J23.1 R12.1 R53.1 | length 3220.3
  Top Layer w12: R12.1@9690,1937.09 v1(9690,1980)
  Mid-Layer 2 w10: J3.1@7053.94,2140.59 7589.41,2140.59 7663.33,2066.67 7663.33,1956.67 7750,1870 7860,1870 J23.1@7910,1820 7960,1770 8045,1770 8450,2175 9495,2175 v1(9690,1980)
  Bottom Layer w10: J3.1@7053.94,2140.59 7127.91,2140.59 R53.1@7128.5,2140
11P: J1.6 J14.11 R11.1 R49.1 | length 3196.9
  Top Layer w12: R11.1@9785,1937.09 v1(9785,1980)
  Mid-Layer 2 w10: J1.6@7053.94,2400.51 7254.45,2200 7605,2200 7760,2045 J14.11@7910,2045 7960,1995 8072.09,1995 8282.09,2205 9560,2205 v1(9785,1980)